# Altium PCB 3-as-manufactured.PcbDoc (part 16 of 16)
Units mil, origin at the board's own origin, x right, y up, seen from the top; angles counter-clockwise.
Board outline 4130.55 x 4250 mil, 8 copper layers (L1_TOP, L2_GND, L3_INT, L4_PWR, L5_PWR, L6_INT, L7_GND, L8_BOT), stack 61 mil thick; 584 components, 489 nets, 2229 pads, 1894 vias.
Unrouted connection lines stored in the file: 4.
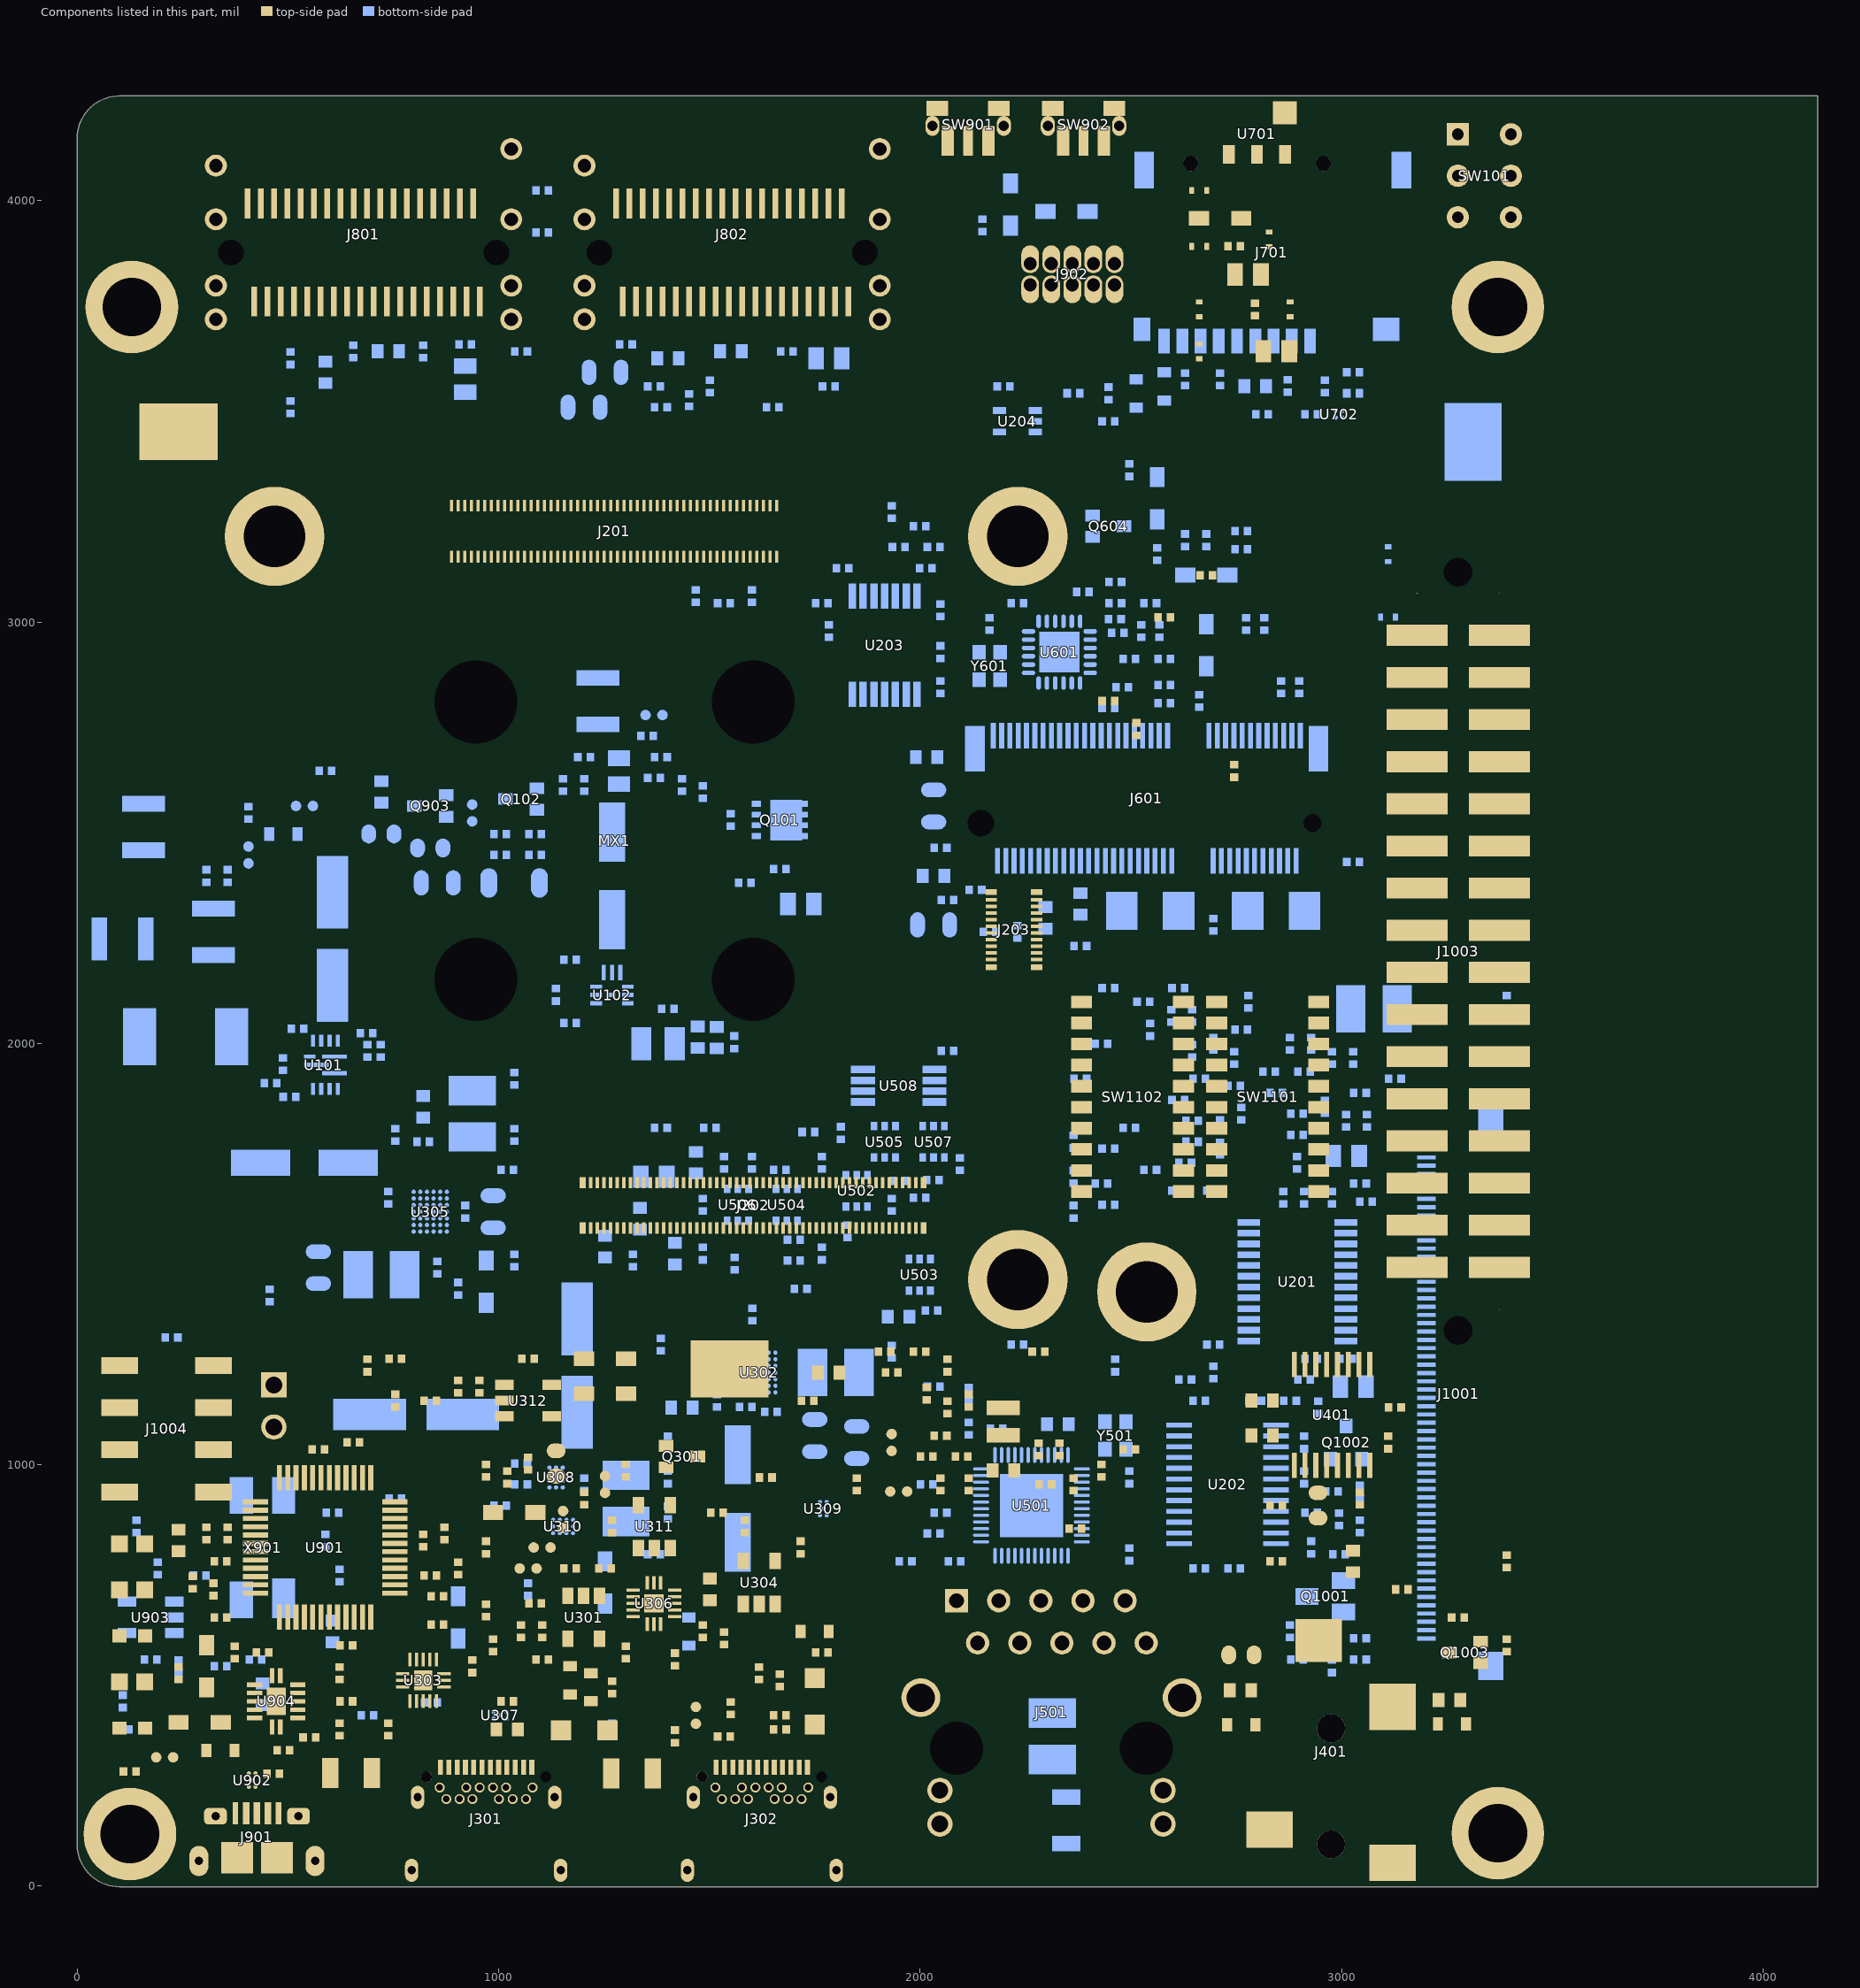
[diagram p22: the components of this part, seen from the top]

## Silkscreen, mask and mechanical layers (free items; w line width, h text height) (continued)
Drill Drawing:
  circle w12: c5121.59,4355.36 r55.56
  lines w12: 5066.03,-1200.2 5177.14,-1200.2 5177.14,-1089.09 5066.03,-1089.09 5066.03,-1200.2 ; 5066.03,-839.09 5177.14,-839.09 5121.59,-950.2 5066.03,-839.09 ; 5066.03,299.8 5121.59,327.58 5177.14,299.8 5149.36,355.36 5177.14,410.91 5121.59,383.13 5066.03,410.91 5093.81,355.36 5066.03,299.8 ; 5066.03,3077.58 5093.81,3077.58 5121.59,3049.8 5149.36,3077.58 5177.14,3077.58 5149.36,3105.36 5177.14,3133.13 5149.36,3133.13 5121.59,3160.91 5093.81,3133.13 5066.03,3133.13 5093.81,3105.36 5066.03,3077.58 ; 5066.03,3827.58 5093.81,3827.58 5093.81,3799.8 5149.36,3799.8 5149.36,3827.58 5177.14,3827.58 5177.14,3883.13 5149.36,3883.13 5149.36,3910.91 5093.81,3910.91 5093.81,3883.13 5066.03,3883.13 5066.03,3827.58 ; 5066.03,4049.8 5066.03,4077.58 5093.81,4105.36 5066.03,4133.13 5066.03,4160.91 5093.81,4160.91 5121.59,4133.13 5149.36,4160.91 5177.14,4160.91 5177.14,4133.13 5149.36,4105.36 5177.14,4077.58 5177.14,4049.8 5149.36,4049.8 5121.59,4077.58 5093.81,4049.8 5066.03,4049.8 ; 5066.03,4549.8 5177.14,4549.8 5177.14,4660.91 5066.03,4660.91 5066.03,4549.8 ; 5088.25,4572.02 5154.92,4572.02 5154.92,4638.69 5088.25,4638.69 5088.25,4572.02
  lines w15: 4967.84,-1775.2 15705.55,-1775.2 ; 4967.84,4724.8 15705.55,4724.8 ; 5871.03,-2025.2 5871.03,4974.8 ; 6944.74,-2025.2 6944.74,4974.8 ; 8851.51,-2025.2 8851.51,4974.8 ; 9679.71,-2025.2 9679.71,4974.8 ; 10887.78,-2025.2 10887.78,4974.8 ; 12855.6,-2025.2 12855.6,4974.8 ; 13823.75,-2025.2 13823.75,4974.8 ; 4967.84,-2025.2 15705.55,-2025.2 15705.55,4974.8 4967.84,4974.8 4967.84,-2025.2
  text "Symbol" at 5117.84,4799.8 h120
  text "Count" at 5946.03,4799.8 h120
  text "Hole Size" at 7019.74,4799.8 h120
  text "Plated" at 8926.51,4799.8 h120
  text "Hole Type" at 9754.71,4799.8 h120
  text "Drill Layer Pair" at 10962.78,4799.8 h120
  text "Via/Pad" at 12930.6,4799.8 h120
  text "Pad Shape" at 13898.75,4799.8 h120
  text "1813" at 5946.03,4549.8 h100
  text "5.90mil (0.150mm)" at 7019.74,4549.8 h100
  text "PTH" at 8926.51,4549.8 h100
  text "Round" at 9754.71,4549.8 h100
  text "L1_TOP - L8_BOT" at 10962.78,4549.8 h100
  text "Via" at 12930.6,4549.8 h100
  text "Rounded" at 13898.75,4549.8 h100
  text "81" at 5946.03,4299.8 h100
  text "6.00mil (0.152mm)" at 7019.74,4299.8 h100
  text "PTH" at 8926.51,4299.8 h100
  text "Round" at 9754.71,4299.8 h100
  text "L1_TOP - L8_BOT" at 10962.78,4299.8 h100
  text "Via" at 12930.6,4299.8 h100
  text "Rounded" at 13898.75,4299.8 h100
  text "24" at 5946.03,4049.8 h100
  text "15.75mil (0.400mm)" at 7019.74,4049.8 h100
  text "PTH" at 8926.51,4049.8 h100
  text "Round" at 9754.71,4049.8 h100
  text "L1_TOP - L8_BOT" at 10962.78,4049.8 h100
  text "Pad" at 12930.6,4049.8 h100
  text "Rounded" at 13898.75,4049.8 h100
  text "8" at 5946.03,3799.8 h100
  text "19.69mil (0.500mm)" at 7019.74,3799.8 h100
  text "PTH" at 8926.51,3799.8 h100
  text "Slot" at 9754.71,3799.8 h100
  text "L1_TOP - L8_BOT" at 10962.78,3799.8 h100
  text "Pad" at 12930.6,3799.8 h100
  text "Rounded" at 13898.75,3799.8 h100
  text "2" at 5946.03,3549.8 h100
  text "20.00mil (0.508mm)" at 7019.74,3549.8 h100
  text "PTH" at 8926.51,3549.8 h100
  text "Slot" at 9754.71,3549.8 h100
  text "L1_TOP - L8_BOT" at 10962.78,3549.8 h100
  text "Pad" at 12930.6,3549.8 h100
  text "Rounded Rectangle" at 13898.75,3549.8 h100
  text "W" at 5072.56,3537.82 h111.11
  text "2" at 5946.03,3299.8 h100
  text "20.00mil (0.508mm)" at 7019.74,3299.8 h100
  text "PTH" at 8926.51,3299.8 h100
  text "Slot" at 9754.71,3299.8 h100
  text "L1_TOP - L8_BOT" at 10962.78,3299.8 h100
  text "Pad" at 12930.6,3299.8 h100
  text "Rounded" at 13898.75,3299.8 h100
  text "X" at 5072.56,3287.82 h111.11
  text "4" at 5946.03,3049.8 h100
  text "23.62mil (0.600mm)" at 7019.74,3049.8 h100
  text "PTH" at 8926.51,3049.8 h100
  text "Slot" at 9754.71,3049.8 h100
  text "L1_TOP - L8_BOT" at 10962.78,3049.8 h100
  text "Pad" at 12930.6,3049.8 h100
  text "Rounded" at 13898.75,3049.8 h100
  text "6" at 5946.03,2799.8 h100
  text "28.00mil (0.711mm)" at 7019.74,2799.8 h100
  text "PTH" at 8926.51,2799.8 h100
  text "Round" at 9754.71,2799.8 h100
  text "L1_TOP - L8_BOT" at 10962.78,2799.8 h100
  text "Pad" at 12930.6,2799.8 h100
  text "Rounded" at 13898.75,2799.8 h100
  text "L" at 5072.56,2787.82 h111.11
  text "9" at 5946.03,2549.8 h100
  text "31.00mil (0.787mm)" at 7019.74,2549.8 h100
  text "PTH" at 8926.51,2549.8 h100
  text "Round" at 9754.71,2549.8 h100
  text "L1_TOP - L8_BOT" at 10962.78,2549.8 h100
  text "Pad" at 12930.6,2549.8 h100
  text "Rounded" at 13898.75,2549.8 h100
  text "V" at 5072.56,2537.82 h111.11
  text "1" at 5946.03,2299.8 h100
  text "31.00mil (0.787mm)" at 7019.74,2299.8 h100
  text "PTH" at 8926.51,2299.8 h100
  text "Slot" at 9754.71,2299.8 h100
  text "L1_TOP - L8_BOT" at 10962.78,2299.8 h100
  text "Pad" at 12930.6,2299.8 h100
  text "Rounded" at 13898.75,2299.8 h100
  text "U" at 5072.56,2287.82 h111.11
  text "`" at 5091.07,2074.84 h111.11
  text "16" at 5946.03,2049.8 h100
  text "32.00mil (0.813mm)" at 7019.74,2049.8 h100
  text "PTH" at 8926.51,2049.8 h100
  text "Round" at 9754.71,2049.8 h100
  text "L1_TOP - L8_BOT" at 10962.78,2049.8 h100
  text "Pad" at 12930.6,2049.8 h100
  text "Rounded" at 13898.75,2049.8 h100
  text "10" at 5946.03,1799.8 h100
  text "35.00mil (0.889mm)" at 7019.74,1799.8 h100
  text "PTH" at 8926.51,1799.8 h100
  text "Round" at 9754.71,1799.8 h100
  text "L1_TOP - L8_BOT" at 10962.78,1799.8 h100
  text "Pad" at 12930.6,1799.8 h100
  text "Rounded" at 13898.75,1799.8 h100
  text "[" at 5091.07,1787.82 h111.11
  text "6" at 5946.03,1549.8 h100
  text "40.00mil (1.016mm)" at 7019.74,1549.8 h100
  text "PTH" at 8926.51,1549.8 h100
  text "Round" at 9754.71,1549.8 h100
  text "L1_TOP - L8_BOT" at 10962.78,1549.8 h100
  text "Pad" at 12930.6,1549.8 h100
  text "Rounded" at 13898.75,1549.8 h100
  text "N" at 5072.56,1537.82 h111.11
  text "2" at 5946.03,1299.8 h100
  text "67.00mil (1.702mm)" at 7019.74,1299.8 h100
  text "PTH" at 8926.51,1299.8 h100
  text "Round" at 9754.71,1299.8 h100
  text "L1_TOP - L8_BOT" at 10962.78,1299.8 h100
  text "Pad" at 12930.6,1299.8 h100
  text "Rounded" at 13898.75,1299.8 h100
  text "Y" at 5072.56,1287.82 h111.11
  text "4" at 5946.03,1049.8 h100
  text "139.00mil (3.531mm)" at 7019.74,1049.8 h100
  text "PTH" at 8926.51,1049.8 h100
  text "Round" at 9754.71,1049.8 h100
  text "L1_TOP - L8_BOT" at 10962.78,1049.8 h100
  text "Pad" at 12930.6,1049.8 h100
  text "Rounded" at 13898.75,1049.8 h100
  text "Q" at 5072.56,1037.82 h111.11
  text "4" at 5946.03,799.8 h100
  text "146.00mil (3.708mm)" at 7019.74,799.8 h100
  text "PTH" at 8926.51,799.8 h100
  text "Round" at 9754.71,799.8 h100
  text "L1_TOP - L8_BOT" at 10962.78,799.8 h100
  text "Pad" at 12930.6,799.8 h100
  text "Rounded" at 13898.75,799.8 h100
  text "M" at 5072.56,787.82 h111.11
  text "2" at 5946.03,549.8 h100
  text "26.00mil (0.660mm)" at 7019.74,549.8 h100
  text "NPTH" at 8926.51,549.8 h100
  text "Round" at 9754.71,549.8 h100
  text "L1_TOP - L8_BOT" at 10962.78,549.8 h100
  text "Pad" at 12930.6,549.8 h100
  text "Rounded" at 13898.75,549.8 h100
  text "]" at 5091.07,537.82 h111.11
  text "2" at 5946.03,299.8 h100
  text "26.00mil (0.660mm)" at 7019.74,299.8 h100
  text "NPTH" at 8926.51,299.8 h100
  text "Slot" at 9754.71,299.8 h100
  text "L1_TOP - L8_BOT" at 10962.78,299.8 h100
  text "Pad" at 12930.6,299.8 h100
  text "Rounded" at 13898.75,299.8 h100
  text "2" at 5946.03,49.8 h100
  text "36.00mil (0.914mm)" at 7019.74,49.8 h100
  text "NPTH" at 8926.51,49.8 h100
  text "Round" at 9754.71,49.8 h100
  text "L1_TOP - L8_BOT" at 10962.78,49.8 h100
  text "Pad" at 12930.6,49.8 h100
  text "Rounded" at 13898.75,49.8 h100
  text "I" at 5091.07,37.82 h111.11
  text "^" at 5072.56,-175.16 h111.11
  text "1" at 5946.03,-200.2 h100
  text "43.00mil (1.092mm)" at 7019.74,-200.2 h100
  text "NPTH" at 8926.51,-200.2 h100
  text "Round" at 9754.71,-200.2 h100
  text "L1_TOP - L8_BOT" at 10962.78,-200.2 h100
  text "Pad" at 12930.6,-200.2 h100
  text "Rounded" at 13898.75,-200.2 h100
  text "a" at 5072.56,-443.67 h111.11
  text "4" at 5946.03,-450.2 h100
  text "61.00mil (1.549mm)" at 7019.74,-450.2 h100
  text "NPTH" at 8926.51,-450.2 h100
  text "Round" at 9754.71,-450.2 h100
  text "L1_TOP - L8_BOT" at 10962.78,-450.2 h100
  text "Pad" at 12930.6,-450.2 h100
  text "Rounded" at 13898.75,-450.2 h100
  text "_" at 5072.56,-656.64 h111.11
  text "1" at 5946.03,-700.2 h100
  text "63.00mil (1.600mm)" at 7019.74,-700.2 h100
  text "NPTH" at 8926.51,-700.2 h100
  text "Round" at 9754.71,-700.2 h100
  text "L1_TOP - L8_BOT" at 10962.78,-700.2 h100
  text "Pad" at 12930.6,-700.2 h100
  text "Rounded" at 13898.75,-700.2 h100
  text "2" at 5946.03,-950.2 h100
  text "66.93mil (1.700mm)" at 7019.74,-950.2 h100
  text "NPTH" at 8926.51,-950.2 h100
  text "Round" at 9754.71,-950.2 h100
  text "L1_TOP - L8_BOT" at 10962.78,-950.2 h100
  text "Pad" at 12930.6,-950.2 h100
  text "Rounded" at 13898.75,-950.2 h100
  text "2" at 5946.03,-1200.2 h100
  text "68.00mil (1.727mm)" at 7019.74,-1200.2 h100
  text "NPTH" at 8926.51,-1200.2 h100
  text "Round" at 9754.71,-1200.2 h100
  text "L1_TOP - L8_BOT" at 10962.78,-1200.2 h100
  text "Pad" at 12930.6,-1200.2 h100
  text "Rounded" at 13898.75,-1200.2 h100
  text "2" at 5946.03,-1450.2 h100
  text "126.00mil (3.200mm)" at 7019.74,-1450.2 h100
  text "NPTH" at 8926.51,-1450.2 h100
  text "Round" at 9754.71,-1450.2 h100
  text "L1_TOP - L8_BOT" at 10962.78,-1450.2 h100
  text "Pad" at 12930.6,-1450.2 h100
  text "Rounded" at 13898.75,-1450.2 h100
  text "Z" at 5072.56,-1462.18 h111.11
  text "4" at 5946.03,-1700.2 h100
  text "197.00mil (5.004mm)" at 7019.74,-1700.2 h100
  text "NPTH" at 8926.51,-1700.2 h100
  text "Slot" at 9754.71,-1700.2 h100
  text "L1_TOP - L8_BOT" at 10962.78,-1700.2 h100
  text "Pad" at 12930.6,-1700.2 h100
  text "Rounded" at 13898.75,-1700.2 h100
  text "K" at 5072.56,-1712.18 h111.11
  text "2014 Total" at 5946.03,-1950.2 h100
  text "Slot definitions :" at 5117.84,-2182.49 h100
  text "Routed Path Length" at 6825.92,-2182.49 h100
  text "= Calculated from tool start centre position to tool end centre position." at 8650.63,-2182.49 h100
  text "Hole Length" at 6825.92,-2339.78 h100
  text "= Routed Path Length + Tool Size = Slot length as defined in the PCB layout" at 7967.52,-2339.78 h100
SOM Outline:
  circle w2: c2231.58,3203.52 r59.06
  circle w2: c2231.58,1439.74 r59.06
  circle w2: c467.8,3203.52 r59.06
  lines w2: 349.69,1421.63 ccw(c449.69,1421.63) 449.69,1321.63 2249.69,1321.63 ccw(c2249.69,1421.63) 2349.69,1421.63 2349.69,3221.63 ccw(c2249.69,3221.63) 2249.69,3321.63 449.69,3321.63 ccw(c449.69,3221.63) 349.69,3221.63 349.69,1421.63
Bottom Courtyard:
  circle w1: c1883.92,2224.08 r16.73
  circle w1: c1107.34,1447.5 r16.73
  circle w1: c1107.34,2224.08 r16.73
  circle w1: c1140.63,1530.79 r39.37
  lines w1: 1192.88,1819.54 1168.55,1819.54 ccw(c1168.55,1788.04) 1137.05,1788.04 1137.05,1645.78 ccw(c1168.55,1645.78) 1168.55,1614.28 1231.99,1614.28 ; 1273.6,1744.9 cw(c1273.6,1713.4) 1305.1,1713.4 1305.1,1643.06 ccw(c1336.59,1643.06) 1324.65,1613.92 cw(c1312.71,1584.77) 1344.21,1584.77 1344.21,1571.14 cw(c1312.71,1571.14) 1312.71,1539.64 ; 1464.35,2053.05 1489.63,2053.05 ; 1464.35,2053.14 cw(c1464.35,2074.79) 1464.35,2096.44 ; 1464.35,2096.53 1489.63,2096.53 ; 1489.63,2053.14 ccw(c1489.63,2074.79) 1489.63,2096.44 ; 1520.2,1649.81 ccw(c1540.67,1649.81) 1561.15,1649.81 ; 1520.2,1653.02 cw(c1540.67,1653.02) 1561.15,1653.02 ; 1561.25,1649.81 1561.25,1653.02 ; 1600.82,1575.17 1600.82,1578.38 ; 1614.12,1418.71 ccw(c1645.62,1418.71) 1645.62,1387.21 1665.64,1387.21 ccw(c1665.64,1418.71) 1697.14,1418.71 1697.14,1462.87 ccw(c1665.64,1462.87) 1665.64,1494.37 1645.62,1494.37 ccw(c1645.62,1462.87) 1614.12,1462.87 1614.12,1418.71 ; 1851.88,1970.78 ccw(c1883.38,1970.78) 1883.38,1939.28 1907.71,1939.28 ccw(c1907.71,1970.78) 1939.21,1970.78 1939.21,1990.8 ccw(c1907.71,1990.8) 1907.71,2022.3 1883.38,2022.3 ccw(c1883.38,1990.8) 1851.88,1990.8 1851.88,1970.78
Top Designator:
  lines w1: -25,0 25,0 ; 0,-25 0,25
Top Component Outline:
  circle w1: c2231.58,3203.52 r54.5
  circle w1: c467.8,3203.52 r54.5
  circle w1: c1262.15,1411.27 r20
  circle w1: c1362.15,1411.27 r20
  circle w1: c945.39,2800.83 r32
  circle w1: c945.39,2142.37 r32
  circle w1: c1145.39,2800.83 r17.5
  circle w1: c1503.85,2142.37 r17.5
  circle w1: c1603.85,2800.83 r32
  circle w1: c1603.85,2142.37 r32
  circle w1: c2231.58,1439.74 r54.5
Bottom Pin Number:
  circle w1: c2537.63,1410.64 r68.9

## Dimensions
4080.78,4196.11 to 4332.19,4336.69 on Fab Notes
2476.06,4181.63 to 3055.82,4632.59 on Fab Notes

## Text inside footprints (layer, text, board x,y; h text height)
BH1201: Bottom Pin Number "1" at 128.99,3781.57 h25
BH1202: Bottom Pin Number "1" at 3370.62,3781.57 h25
BH1203: Bottom Pin Number "1" at 124.62,157.57 h25
BH1204: Bottom Pin Number "1" at 3370.62,159.57 h25
BH1206: Bottom Pin Number "1" at 2537.74,1410.75 h25
BH1207: Top Assembly "SWAGED" at 2200.24,3158.04 h20 r45; Top Pin Number "1" at 2231.42,3203.52 h25 r45
BH1208: Top Assembly "SWAGED" at 2200.24,1394.26 h20 r45; Top Pin Number "1" at 2231.42,1439.74 h25 r45
BH1209: Top Assembly "SWAGED" at 436.46,3158.04 h20 r45; Top Pin Number "1" at 467.64,3203.52 h25 r45
C101: Bottom Overlay "+" at 484,2015 h80 r90; Bottom Overlay "1" at 510.11,2093.41 h31 r270; Bottom Pin Number "2" at 604.95,2358.91 h25 r270; Bottom Pin Number "1" at 604.95,2137.91 h25 r270; Bottom Assembly "+" at 599.4,2017.7 h25 r270
C103: Bottom Overlay "+" at 1428,2191 h80 r90; Bottom Pin Number "1" at 1256.16,2289.85 h25 r270; Bottom Pin Number "2" at 1256.16,2494.49 h25 r270; Top Designator "+" at 1236.65,2150.82 h25 r90
C107: Bottom Pin Number "1" at 323.27,2209.79 h25 r270; Bottom Pin Number "2" at 323.27,2320.02 h25 r270
C108: Bottom Pin Number "1" at 52.34,2248.14 h25 r180; Bottom Pin Number "2" at 162.57,2248.14 h25 r180
C109: Bottom Pin Number "1" at 157.38,2458.81 h25 r270; Bottom Pin Number "2" at 157.38,2569.05 h25 r270
C142: Top Pin Number "1" at 1284.87,2615.7 h25 r270; Top Pin Number "2" at 1284.87,2677.12 h25 r270
C157: Bottom Pin Number "1" at 1235.64,2757.64 h25 r270; Bottom Pin Number "2" at 1235.64,2867.87 h25 r270
C210: Top Pin Number "1" at 1337.14,1684.22 h25 r180; Top Pin Number "2" at 1398.56,1684.22 h25 r180
C301: Bottom Pin Number "1" at 1311.67,975.18 h25 r90; Bottom Pin Number "2" at 1311.67,865.18 h25 r90
C304: Bottom Overlay "+" at 952,926 h80 r180; Bottom Pin Number "1" at 914.57,1119.24 h25; Bottom Pin Number "2" at 693.57,1119.24 h25; Bottom Assembly "+" at 1034.78,1113.68 h25
C305: Bottom Overlay "+" at 1326,1446 h80 r270; Bottom Pin Number "1" at 1185.87,1346 h25 r90; Bottom Pin Number "2" at 1185.87,1125 h25 r90; Bottom Assembly "+" at 1191.42,1466.21 h25 r90
C309: Bottom Overlay "+" at 1646,1125 h80 r270; Bottom Pin Number "1" at 1579.75,1028.05 h25 r90; Bottom Pin Number "2" at 1579.75,823.4 h25 r90; Top Designator "+" at 1599.25,1167.07 h25 r90
C311: Bottom Pin Number "1" at 1744.49,1228.84 h25 r180; Bottom Pin Number "2" at 1854.49,1228.84 h25 r180
C321: Bottom Pin Number "1" at 776.23,1441.59 h25; Bottom Pin Number "2" at 666.23,1441.59 h25
C326: Bottom Overlay "+" at 729,1603 h80 r180; Bottom Pin Number "1" at 646.63,1704.55 h25; Bottom Pin Number "2" at 441.99,1704.55 h25; Top Designator "+" at 785.65,1685.05 h25
C327: Bottom Pin Number "1" at 927.04,1778.26 h25 r270; Bottom Pin Number "2" at 927.04,1888.26 h25 r270
C339: Top Pin Number "1" at 1130.95,1034.56 h10 r270; Top Pin Number "2" at 1130.95,978.85 h10 r270
C517: Bottom Pin Number "1" at 2303.89,300.73 h25 r270; Bottom Pin Number "2" at 2303.89,410.72 h25 r270
C624: Bottom Overlay "+" at 2746,2167 h80; Bottom Pin Number "2" at 2903.74,2327.21 h25 r180; Bottom Pin Number "1" at 2774.09,2327.21 h25 r180; Bottom Assembly "+" at 2739.57,2374.71 h25
C625: Bottom Overlay "+" at 2653,2236 h80 r180; Bottom Pin Number "2" at 2486.8,2302.21 h25; Bottom Pin Number "1" at 2616.45,2302.21 h25; Bottom Assembly "+" at 2650.97,2254.71 h25 r180
C703: Bottom Pin Number "2" at 2814.19,3643.21 h25 r180; Bottom Pin Number "1" at 2875.61,3643.21 h25 r180
C706: Bottom Pin Number "2" at 2808.59,3825.07 h25; Bottom Pin Number "1" at 2747.17,3825.07 h25
C812: Top Pin Number "1" at 920.67,3607.47 h25 r90; Top Pin Number "2" at 920.67,3546.05 h25 r90
C815: Top Pin Number "1" at 1813.94,3625.86 h25; Top Pin Number "2" at 1752.52,3625.86 h25
C1001: Bottom Pin Number "1" at 3021.81,2092.13 h25 r180; Bottom Pin Number "2" at 3131.81,2092.13 h25 r180
D101: Bottom Pin Number "C" at 525.56,2503.33 h10 r180; Bottom Pin Number "A" at 452.18,2492.33 h10
D301: Top Pin Number "A" at 1254.32,357.73 h25; Top Pin Number "C" at 1134.08,357.73 h25
D303: Top Pin Number "C" at 1761.99,369.82 h25 r90; Top Pin Number "A" at 1761.99,490.06 h25 r90
D702: Top Pin Number "A" at 2865.15,3765.94 h25 r270; Top Pin Number "C" at 2864.33,3731.29 h25 r270
D703: Top Pin Number "C" at 2648.68,3631.68 h25 r270; Top Pin Number "A" at 2649.5,3666.33 h25 r270
D704: Top Pin Number "A" at 2649.5,3765.94 h25 r270; Top Pin Number "C" at 2648.68,3731.29 h25 r270
D705: Top Pin Number "C" at 2814.57,3897.31 h25 r270; Top Pin Number "A" at 2815.39,3931.96 h25 r270
D706: Top Pin Number "C" at 2673.24,3878.45 h25; Top Pin Number "A" at 2638.59,3879.27 h25
D707: Top Pin Number "A" at 2638.59,4012.08 h25; Top Pin Number "C" at 2673.24,4011.26 h25
D708: Top ALT_SILK "A" at 63.99,780.01 h15 r270; Top ALT_SILK "C" at 183.98,774.52 h15 r270
D902: Top ALT_SILK "A" at 63.99,451.69 h15 r270; Top ALT_SILK "C" at 183.98,446.2 h15 r270
D903: Top Pin Number "A" at 90.08,362.59 h25; Top Pin Number "C" at 151.69,362.59 h25
D905: Top Pin Number "C" at 151.69,581.47 h25; Top Pin Number "A" at 90.08,581.47 h25
D906: Top ALT_SILK "A" at 63.99,670.57 h15 r270; Top ALT_SILK "C" at 183.98,665.08 h15 r270
D1001: Bottom Pin Number "A" at 3097.39,3137.89 h25 r270; Bottom Pin Number "C" at 3096.57,3172.54 h25 r270
D1002: Bottom Pin Number "A" at 3086.49,3024.56 h25 r180; Bottom Pin Number "C" at 3121.13,3025.38 h25 r180
F301: Top Overlay "1" at 749.63,283.79 h30 r180; Top Assembly "1" at 746.83,273.79 h15 r180; Top Pin Number "1" at 703.84,277.79 h20 r180; Top Pin Number "2" at 605.42,277.79 h20 r180
F302: Top Overlay "1" at 1415,284 h30 r180; Top Assembly "1" at 1413.45,272.54 h15 r180; Top Pin Number "1" at 1370.46,276.54 h20 r180; Top Pin Number "2" at 1272.04,276.54 h20 r180
J101: Top Overlay "1" at 380.86,1180.82 h31; Top Assembly "1" at 416.26,1199.82 h25; Top Pin Number "2" at 466.1,1089.82 h25; Top Pin Number "1" at 466.1,1189.82 h25
J201: Top Overlay "1" at 879.63,3098.29 h35; Top Overlay "99" at 1644.63,3098.29 h35; Top Overlay "100" at 1644.63,3303.29 h35; Top Overlay "2" at 879.63,3308.29 h35; Top Assembly "100" at 1662.88,3312.82 h25; Top Assembly "99" at 1662.95,3094.29 h25; Top Assembly "1" at 882.77,3093.98 h25; Top Assembly "2" at 880.37,3314.46 h25; Top Pin Number "17" at 1018.79,3148.16 h10 r90; Top Pin Number "2" at 892.8,3273.09 h10 r90; Top Pin Number "15" at 1003.04,3148.16 h10 r90; Top Pin Number "10" at 955.8,3269.42 h10 r90; Top Pin Number "86" at 1554.32,3268.81 h10 r90; Top Pin Number "99" at 1664.46,3147.61 h10 r90; Top Pin Number "52" at 1287.2,3268.57 h10 r90; Top Pin Number "54" at 1303.54,3268.34 h10 r90; Top Pin Number "62" at 1365.28,3268.84 h10 r90; Top Pin Number "58" at 1334.45,3268.57 h10 r90; Top Pin Number "24" at 1066.03,3268.4 h10 r90; Top Pin Number "60" at 1349.54,3268.84 h10 r90; Top Pin Number "89" at 1585.72,3147.61 h10 r90; Top Pin Number "83" at 1538.47,3147.38 h10 r90; Top Pin Number "48" at 1255.71,3268.57 h10 r90; Top Pin Number "46" at 1239.36,3268.81 h10 r90; Top Pin Number "80" at 1507.68,3268.57 h10 r90; Top Pin Number "1" at 892.8,3153.97 h10 r90; Top Pin Number "13" at 987.29,3148.16 h10 r90; Top Pin Number "7" at 940.05,3151.83 h10 r90; Top Pin Number "19" at 1034.54,3148.4 h10 r90; Top Pin Number "25" at 1081.78,3147.38 h10 r90; Top Pin Number "37" at 1175.67,3145.87 h10 r90; Top Pin Number "31" at 1129.02,3149.52 h10 r90; Top Pin Number "55" at 1318,3147.38 h10 r90; Top Pin Number "49" at 1270.76,3147.61 h10 r90; Top Pin Number "43" at 1223.51,3147.38 h10 r90; Top Pin Number "67" at 1412.49,3147.64 h10 r90; Top Pin Number "61" at 1365.24,3149.78 h10 r90; Top Pin Number "79" at 1506.98,3147.61 h10 r90; Top Pin Number "73" at 1459.73,3147.38 h10 r90; Top Pin Number "97" at 1648.71,3147.38 h10 r90; Top Pin Number "87" at 1569.97,3147.38 h10 r90; Top Pin Number "8" at 940.05,3273.09 h10 r90; Top Pin Number "20" at 1034.54,3268.64 h10 r90; Top Pin Number "32" at 1129.72,3268.57 h10 r90; Top Pin Number "44" at 1224.8,3268.33 h10 r90; Top Pin Number "68" at 1412.53,3268.84 h10 r90; Top Pin Number "92" at 1602.16,3268.57 h10 r90; Top Pin Number "56" at 1318.1,3268.81 h10 r90; Top Pin Number "88" at 1570.67,3268.57 h10 r90; Top Pin Number "50" at 1271.46,3268.57 h10 r90; Top Pin Number "98" at 1649.41,3268.57 h10 r90; Top Pin Number "96" at 1633.06,3268.81 h10 r90; Top Pin Number "94" at 1618.5,3268.34 h10 r90; Top Pin Number "64" at 1381.63,3268.6 h10 r90; Top Pin Number "66" at 1396.19,3269.07 h10 r90; Top Pin Number "34" at 1146.06,3268.33 h10 r90; Top Pin Number "33" at 1144.17,3145.87 h10 r90; Top Pin Number "69" at 1428.24,3147.88 h10 r90; Top Pin Number "45" at 1239.26,3147.38 h10 r90; Top Pin Number "51" at 1286.5,3149.52 h10 r90; Top Pin Number "53" at 1302.25,3147.38 h10 r90; Top Pin Number "35" at 1159.92,3145.87 h10 r90; Top Pin Number "59" at 1349.5,3147.61 h10 r90; Top Pin Number "63" at 1380.99,3147.64 h10 r90; Top Pin Number "47" at 1255.01,3147.38 h10 r90; Top Pin Number "39" at 1190.82,3146.11 h10 r90; Top Pin Number "57" at 1333.75,3147.38 h10 r90; Top Pin Number "41" at 1207.76,3149.52 h10 r90; Top Pin Number "75" at 1475.48,3147.38 h10 r90; Top Pin Number "65" at 1396.74,3147.64 h10 r90; Top Pin Number "71" at 1443.98,3149.52 h10 r90; Top Pin Number "18" at 1018.79,3269.42 h10 r90; Top Pin Number "16" at 1003.04,3269.66 h10 r90; Top Pin Number "14" at 987.29,3269.18 h10 r90; Top Pin Number "77" at 1491.23,3147.38 h10 r90; Top Pin Number "40" at 1192.72,3268.57 h10 r90; Top Pin Number "70" at 1428.94,3268.57 h10 r90; Top Pin Number "42" at 1208.46,3268.57 h10 r90; Top Pin Number "12" at 971.54,3269.42 h10 r90; Top Pin Number "28" at 1097.53,3268.64 h10 r90; Top Pin Number "26" at 1081.78,3268.87 h10 r90; Top Pin Number "22" at 1050.28,3268.64 h10 r90; Top Pin Number "91" at 1601.46,3149.52 h10 r90; Top Pin Number "93" at 1617.21,3147.38 h10 r90; Top Pin Number "95" at 1632.96,3147.38 h10 r90; Top Pin Number "30" at 1113.28,3268.64 h10 r90; Top Pin Number "81" at 1522.72,3149.52 h10 r90; Top Pin Number "36" at 1160.62,3268.81 h10 r90; Top Pin Number "38" at 1176.97,3268.57 h10 r90; Top Pin Number "85" at 1554.22,3147.38 h10 r90; Top Pin Number "29" at 1113.28,3147.61 h10 r90; Top Pin Number "27" at 1097.53,3147.38 h10 r90; Top Pin Number "23" at 1066.03,3147.38 h10 r90; Top Pin Number "21" at 1050.28,3149.52 h10 r90; Top Pin Number "74" at 1461.02,3268.34 h10 r90; Top Pin Number "72" at 1444.68,3268.57 h10 r90; Top Pin Number "82" at 1523.42,3268.57 h10 r90; Top Pin Number "84" at 1539.76,3268.34 h10 r90; Top Pin Number "78" at 1491.93,3268.57 h10 r90; Top Pin Number "76" at 1475.58,3268.81 h10 r90; Top Pin Number "90" at 1586.42,3268.57 h10 r90; Top Pin Number "4" at 908.55,3272.85 h10 r90; Top Pin Number "6" at 924.3,3273.33 h10 r90; Top Pin Number "11" at 971.54,3150.3 h10 r90; Top Pin Number "9" at 955.8,3152.07 h10 r90; Top Pin Number "5" at 924.3,3151.83 h10 r90; Top Pin Number "3" at 908.55,3151.83 h10 r90; Top Pin Number "100" at 1664.46,3264.97 h10 r90
J202: Top Overlay "1" at 1186.63,1695.79 h35; Top Overlay "2" at 1191.63,1505.79 h35; Top Overlay "99" at 1976.63,1695.79 h35; Top Overlay "100" at 1986.63,1505.79 h35; Top Assembly "99" at 1995.63,1715.45 h25 r180; Top Assembly "100" at 2002.25,1538.29 h25 r180; Top Assembly "2" at 1226.96,1538.29 h25 r180; Top Assembly "1" at 1221.61,1713.29 h25 r180; Top Pin Number "96" at 1951.19,1568.16 h10 r270; Top Pin Number "84" at 1856.7,1568.63 h10 r270; Top Pin Number "16" at 1322.25,1567.37 h10 r270; Top Pin Number "18" at 1338,1567.61 h10 r270; Top Pin Number "20" at 1352.76,1568.39 h10 r270; Top Pin Number "10" at 1275.35,1567.61 h10 r270; Top Pin Number "12" at 1290.22,1567.61 h10 r270; Top Pin Number "14" at 1305.82,1567.85 h10 r270; Top Pin Number "48" at 1574.22,1568.39 h10 r270; Top Pin Number "60" at 1667.72,1568.13 h10 r270; Top Pin Number "72" at 1762.21,1568.39 h10 r270; Top Pin Number "98" at 1966.94,1568.39 h10 r270; Top Pin Number "100" at 1982.36,1572.06 h10 r270; Top Pin Number "94" at 1935.44,1568.63 h10 r270; Top Pin Number "82" at 1840.95,1568.39 h10 r270; Top Pin Number "92" at 1919.69,1568.39 h10 r270; Top Pin Number "78" at 1809.46,1568.39 h10 r270; Top Pin Number "80" at 1825.2,1568.39 h10 r270; Top Pin Number "66" at 1715.95,1567.89 h10 r270; Top Pin Number "86" at 1872.45,1568.16 h10 r270; Top Pin Number "90" at 1903.94,1568.39 h10 r270; Top Pin Number "76" at 1793.71,1568.16 h10 r270; Top Pin Number "74" at 1777.96,1568.63 h10 r270; Top Pin Number "88" at 1888.2,1568.39 h10 r270; Top Pin Number "46" at 1558.47,1568.15 h10 r270; Top Pin Number "50" at 1588.98,1568.39 h10 r270; Top Pin Number "42" at 1526.97,1568.39 h10 r270; Top Pin Number "58" at 1652.96,1568.39 h10 r270; Top Pin Number "70" at 1746.46,1568.39 h10 r270; Top Pin Number "2" at 1212.79,1563.94 h10 r270; Top Pin Number "4" at 1229.14,1564.18 h10 r270; Top Pin Number "6" at 1244.89,1563.7 h10 r270; Top Pin Number "8" at 1260.64,1563.94 h10 r270; Top Pin Number "64" at 1700.2,1568.37 h10 r270; Top Pin Number "54" at 1620.78,1568.63 h10 r270; Top Pin Number "52" at 1605.18,1568.39 h10 r270; Top Pin Number "30" at 1432.83,1568.39 h10 r270; Top Pin Number "32" at 1447.7,1568.39 h10 r270; Top Pin Number "34" at 1463.3,1568.63 h10 r270; Top Pin Number "36" at 1479.73,1568.15 h10 r270; Top Pin Number "22" at 1368.81,1568.39 h10 r270; Top Pin Number "24" at 1386.27,1568.63 h10 r270; Top Pin Number "26" at 1402.01,1568.15 h10 r270; Top Pin Number "28" at 1417.76,1568.39 h10 r270; Top Pin Number "44" at 1542.72,1568.63 h10 r270; Top Pin Number "40" at 1510.24,1568.39 h10 r270; Top Pin Number "56" at 1637.21,1568.16 h10 r270; Top Pin Number "62" at 1684.46,1568.13 h10 r270; Top Pin Number "68" at 1731.7,1568.13 h10 r270; Top Pin Number "38" at 1495.48,1568.39 h10 r270; Top Pin Number "1" at 1212.67,1671.56 h10 r270; Top Pin Number "3" at 1229.14,1673.7 h10 r270; Top Pin Number "7" at 1260.64,1673.7 h10 r270; Top Pin Number "11" at 1287.22,1675.22 h10 r270; Top Pin Number "13" at 1306.29,1677.37 h10 r270; Top Pin Number "15" at 1323.23,1677.37 h10 r270; Top Pin Number "17" at 1337.01,1677.37 h10 r270; Top Pin Number "19" at 1351.78,1677.13 h10 r270; Top Pin Number "5" at 1244.89,1673.7 h10 r270; Top Pin Number "9" at 1276.39,1673.46 h10 r270; Top Pin Number "21" at 1369.15,1676.01 h10 r270; Top Pin Number "23" at 1385.62,1678.15 h10 r270; Top Pin Number "25" at 1401.37,1678.15 h10 r270; Top Pin Number "27" at 1417.12,1678.15 h10 r270; Top Pin Number "29" at 1432.87,1677.91 h10 r270; Top Pin Number "31" at 1447.55,1676.01 h10 r270; Top Pin Number "33" at 1463.77,1678.15 h10 r270; Top Pin Number "35" at 1480.72,1678.15 h10 r270; Top Pin Number "39" at 1509.26,1677.91 h10 r270; Top Pin Number "41" at 1526.97,1676.01 h10 r270; Top Pin Number "43" at 1543.71,1678.15 h10 r270; Top Pin Number "45" at 1558.47,1678.15 h10 r270; Top Pin Number "47" at 1574.22,1678.15 h10 r270; Top Pin Number "49" at 1589.97,1677.91 h10 r270; Top Pin Number "51" at 1602.18,1676.01 h10 r270; Top Pin Number "37" at 1494.49,1678.15 h10 r270; Top Pin Number "53" at 1621.25,1678.15 h10 r270; Top Pin Number "55" at 1638.2,1678.15 h10 r270; Top Pin Number "57" at 1651.97,1678.15 h10 r270; Top Pin Number "59" at 1666.74,1677.92 h10 r270; Top Pin Number "61" at 1684.46,1675.75 h10 r270; Top Pin Number "63" at 1701.19,1677.89 h10 r270; Top Pin Number "65" at 1715.95,1677.89 h10 r270; Top Pin Number "67" at 1731.7,1677.89 h10 r270; Top Pin Number "69" at 1747.45,1677.65 h10 r270; Top Pin Number "71" at 1763.2,1676.01 h10 r270; Top Pin Number "73" at 1778.94,1678.15 h10 r270; Top Pin Number "75" at 1794.69,1678.15 h10 r270; Top Pin Number "77" at 1810.44,1678.15 h10 r270; Top Pin Number "79" at 1826.19,1677.92 h10 r270; Top Pin Number "81" at 1841.94,1676.01 h10 r270; Top Pin Number "83" at 1857.68,1678.15 h10 r270; Top Pin Number "85" at 1873.43,1678.15 h10 r270; Top Pin Number "87" at 1889.18,1678.15 h10 r270; Top Pin Number "89" at 1904.93,1677.92 h10 r270; Top Pin Number "91" at 1920.68,1676.01 h10 r270; Top Pin Number "93" at 1936.42,1678.15 h10 r270; Top Pin Number "95" at 1952.17,1678.15 h10 r270; Top Pin Number "97" at 1967.92,1678.15 h10 r270; Top Pin Number "99" at 1983.67,1677.92 h10 r270
J203: Top Overlay "1" at 2137.59,2150.27 h35; Top Overlay "2" at 2297.59,2150.27 h35; Top Overlay "19" at 2112.59,2375.27 h35; Top Overlay "20" at 2282.59,2380.27 h35; Top Assembly "1" at 2126.63,2160.46 h25; Top Assembly "19" at 2110.63,2355.46 h25; Top Assembly "20" at 2300.63,2350.46 h25; Top Assembly "2" at 2301.63,2160.46 h25; Top Pin Number "7" at 2165.41,2241.65 h10; Top Pin Number "17" at 2161.74,2320.39 h10; Top Pin Number "6" at 2273.35,2225.9 h10; Top Pin Number "3" at 2165.41,2210.15 h10; Top Pin Number "16" at 2269.68,2304.64 h10; Top Pin Number "20" at 2268.66,2336.14 h10; Top Pin Number "18" at 2269.44,2320.39 h10; Top Pin Number "9" at 2165.65,2257.4 h10; Top Pin Number "8" at 2273.11,2241.65 h10; Top Pin Number "5" at 2165.41,2225.9 h10; Top Pin Number "11" at 2163.88,2273.14 h10; Top Pin Number "13" at 2161.74,2288.89 h10; Top Pin Number "15" at 2161.74,2304.64 h10; Top Pin Number "4" at 2272.87,2210.15 h10; Top Pin Number "10" at 2269.44,2257.4 h10; Top Pin Number "12" at 2269.44,2273.14 h10; Top Pin Number "14" at 2269.2,2288.89 h10; Top Pin Number "1" at 2167.55,2194.4 h10; Top Pin Number "2" at 2273.11,2194.4 h10; Top Pin Number "19" at 2161.98,2336.14 h10
J301: Top Assembly "PCB Edge" at 887.51,-8.33 h25
J302: Top Assembly "PCB Edge" at 1541.74,-8.33 h25
J501: Top Assembly "PCB EDGE SIDE" at 1909.46,-8.56 h25 r270; Top Assembly "14" at 2645.63,115.45 h25; Top Assembly "12" at 1977.61,152.56 h25 r180; Top Assembly "10" at 2645.63,550.45 h25; Top Assembly "9" at 2651.63,665.45 h25; Top Assembly "2" at 1961.96,586.94 h25 r180; Top Assembly "1" at 1964.09,682.68 h25 r180; Top Pin Number "2" at 2136.1,577.44 h25 r180; Top Pin Number "15" at 2611.82,452.44 h25 r180; Top Pin Number "16" at 1988.82,451.44 h25 r180; Top Pin Number "14" at 2575.9,147.52 h25 r180; Top Pin Number "4" at 2236.1,577.44 h25 r180; Top Pin Number "3" at 2186.1,677.44 h25 r180; Top Pin Number "8" at 2436.1,577.44 h25 r180; Top Pin Number "10" at 2535.94,577.44 h25 r180; Top Pin Number "6" at 2336.1,577.44 h25 r180; Top Pin Number "9" at 2486.1,677.44 h25 r180; Top Pin Number "5" at 2286.1,677.44 h25 r180; Top Pin Number "7" at 2386.1,677.44 h25 r180; Top Pin Number "13" at 2575.9,227.44 h25 r180; Top Pin Number "11" at 2046.37,227.44 h25 r180; Top Pin Number "12" at 2046.37,147.52 h25 r180; Top Pin Number "1" at 2086.1,677.44 h25 r180
J601: Bottom Overlay "75" at 2210,2786 h31; Bottom Overlay "74" at 2214,2351 h31; Bottom Overlay "22" at 2729,2361 h25; Bottom Overlay "32" at 2657,2415 h25; Bottom Pin Number "33" at 2575.2,2721.34 h15 r270; Bottom Pin Number "7" at 2842.08,2728.02 h15 r270; Bottom Pin Number "1" at 2906.49,2731.23 h15 r270; Bottom Pin Number "55" at 2358.67,2721.34 h15 r270; Bottom Pin Number "53" at 2378.35,2721.34 h15 r270; Bottom Pin Number "54" at 2367.92,2423.74 h15 r270; Bottom Pin Number "62" at 2290.43,2424.49 h15 r270; Bottom Pin Number "44" at 2466.34,2423.74 h15 r270; Bottom Pin Number "46" at 2447.85,2424.46 h15 r270; Bottom Pin Number "48" at 2427.56,2424.1 h15 r270; Bottom Pin Number "6" at 2847.51,2431.14 h15 r270; Bottom Pin Number "16" at 2745.09,2425.64 h15 r270; Bottom Pin Number "67" at 2241.22,2721.73 h15 r270; Bottom Pin Number "65" at 2260.9,2721.73 h15 r270; Bottom Pin Number "61" at 2305.62,2724.95 h15 r270; Bottom Pin Number "59" at 2319.9,2721.7 h15 r270; Bottom Pin Number "73" at 2181.5,2721.34 h15 r270; Bottom Pin Number "71" at 2206.55,2724.55 h15 r270; Bottom Pin Number "64" at 2270.14,2424.14 h15 r270; Bottom Pin Number "68" at 2231.37,2424.49 h15 r270; Bottom Pin Number "70" at 2211.03,2424.1 h15 r270; Bottom Pin Number "66" at 2251.65,2424.85 h15 r270; Bottom Pin Number "38" at 2525.99,2424.1 h15 r270; Bottom Pin Number "40" at 2506.3,2424.1 h15 r270; Bottom Pin Number "42" at 2486.62,2424.1 h15 r270; Bottom Pin Number "43" at 2476.78,2721.34 h15 r270; Bottom Pin Number "41" at 2501.82,2724.55 h15 r270; Bottom Pin Number "60" at 2310.11,2424.49 h15 r270; Bottom Pin Number "58" at 2329.14,2424.1 h15 r270; Bottom Pin Number "56" at 2349.42,2424.46 h15 r270; Bottom Pin Number "5" at 2861.76,2728.02 h15 r270; Bottom Pin Number "3" at 2881.45,2728.02 h15 r270; Bottom Pin Number "34" at 2564.77,2423.74 h15 r270; Bottom Pin Number "36" at 2546.28,2424.46 h15 r270; Bottom Pin Number "22" at 2683.47,2424.1 h15 r270; Bottom Pin Number "32" at 2585.05,2424.1 h15 r270; Bottom Pin Number "14" at 2763.58,2424.92 h15 r270; Bottom Pin Number "12" at 2783.87,2425.28 h15 r270; Bottom Pin Number "10" at 2803.55,2425.28 h15 r270; Bottom Pin Number "8" at 2827.24,2430.78 h15 r270; Bottom Pin Number "50" at 2407.88,2424.1 h15 r270; Bottom Pin Number "21" at 2698.67,2724.55 h15 r270; Bottom Pin Number "23" at 2673.63,2721.34 h15 r270; Bottom Pin Number "19" at 2715.56,2722.88 h15 r270; Bottom Pin Number "17" at 2734.65,2722.52 h15 r270; Bottom Pin Number "15" at 2754.34,2722.52 h15 r270; Bottom Pin Number "13" at 2774.02,2722.52 h15 r270; Bottom Pin Number "11" at 2799.06,2725.73 h15 r270; Bottom Pin Number "9" at 2822.99,2728.38 h15 r270; Bottom Pin Number "35" at 2555.52,2721.34 h15 r270; Bottom Pin Number "37" at 2535.83,2721.34 h15 r270; Bottom Pin Number "20" at 2703.16,2424.1 h15 r270; Bottom Pin Number "74" at 2171.07,2423.74 h15 r270; Bottom Pin Number "72" at 2191.34,2424.1 h15 r270; Bottom Pin Number "4" at 2866.01,2430.42 h15 r270; Bottom Pin Number "2" at 2886.29,2430.78 h15 r270; Bottom Pin Number "47" at 2437.41,2721.34 h15 r270; Bottom Pin Number "49" at 2418.32,2721.7 h15 r270; Bottom Pin Number "52" at 2388.19,2424.1 h15 r270; Bottom Pin Number "18" at 2724.81,2425.28 h15 r270; Bottom Pin Number "75" at 2161.82,2721.34 h15 r270; Bottom Pin Number "63" at 2280.59,2721.73 h15 r270; Bottom Pin Number "69" at 2222.12,2722.09 h15 r270; Bottom Pin Number "51" at 2403.4,2724.55 h15 r270; Bottom Pin Number "57" at 2338.98,2721.34 h15 r270; Bottom Pin Number "39" at 2516.75,2721.7 h15 r270; Bottom Pin Number "45" at 2457.09,2721.34 h15 r270
J701: Bottom Pin Number "2" at 2890.07,3654.88 h25; Bottom Pin Number "7" at 2673.53,3654.88 h25; Bottom Pin Number "8" at 2630.22,3654.88 h25; Bottom Pin Number "5" at 2760.14,3654.88 h25; Bottom Pin Number "1" at 2928.01,3654.88 h25; Bottom Pin Number "3" at 2846.76,3654.88 h25; Bottom Pin Number "9" at 2586.33,3654.88 h25; Bottom Pin Number "4" at 2804.05,3654.88 h25; Bottom Pin Number "13" at 3123.63,3682.44 h25; Bottom Pin Number "12" at 3159.07,4060.4 h25; Bottom Pin Number "6" at 2716.25,3654.88 h25; Bottom Pin Number "11" at 2543.48,4060.4 h25; Bottom Pin Number "10" at 2539,3682.44 h25
J801: Top Overlay "B1" at 390.07,4208.76 h25; Top Overlay "B18" at 920.84,4204.82 h25; Top Overlay "A18" at 929.11,3602.85 h25; Top Overlay "A1" at 401.09,3603.64 h25; Top Assembly "A1" at 407.3,3606.43 h25; Top Assembly "A18" at 943.94,3606.82 h25; Top Assembly "B1" at 394.71,4208.4 h25; Top Assembly "B18" at 932.52,4202.49 h25; Top Pin Number "B18" at 948.81,3982.24 h15 r90; Top Pin Number "T8" at 1039.52,4111.77 h15 r90; Top Pin Number "A8" at 649.76,3749.96 h15 r90; Top Pin Number "A9" at 681.26,3749.96 h15 r90; Top Pin Number "A13" at 807.08,3749.96 h15 r90; Top Pin Number "A14" at 838.58,3749.96 h15 r90; Top Pin Number "A11" at 744.09,3749.96 h15 r90; Top Pin Number "B8" at 634.01,3982.24 h15 r90; Top Pin Number "A10" at 712.59,3749.96 h15 r90; Top Pin Number "B2" at 445.04,3982.24 h15 r90; Top Pin Number "A2" at 460.78,3749.96 h15 r90; Top Pin Number "B13" at 791.33,3982.24 h15 r90; Top Pin Number "B14" at 822.83,3982.24 h15 r90; Top Pin Number "B3" at 476.53,3982.24 h15 r90; Top Pin Number "B17" at 917.32,3982.24 h15 r90; Top Pin Number "A3" at 492.28,3749.96 h15 r90; Top Pin Number "B5" at 539.52,3982.24 h15 r90; Top Pin Number "B16" at 885.82,3982.24 h15 r90; Top Pin Number "B6" at 571.02,3982.24 h15 r90; Top Pin Number "A5" at 555.27,3749.96 h15 r90; Top Pin Number "A6" at 586.77,3749.96 h15 r90; Top Pin Number "A16" at 901.57,3749.96 h15 r90; Top Pin Number "A17" at 933.06,3749.96 h15 r90; Top Pin Number "B11" at 728.34,3982.24 h15 r90; Top Pin Number "B10" at 696.84,3982.24 h15 r90; Top Pin Number "B9" at 665.51,3982.24 h15 r90; Top Pin Number "T1" at 338.74,3707.44 h15 r90; Top Pin Number "A12" at 775.58,3749.96 h15 r90; Top Pin Number "A15" at 870.07,3749.96 h15 r90; Top Pin Number "T5" at 1039.52,3707.44 h15 r90; Top Pin Number "T2" at 338.74,3787.36 h15 r90; Top Pin Number "A1" at 429.29,3749.96 h15 r90; Top Pin Number "A4" at 523.78,3749.96 h15 r90; Top Pin Number "A7" at 618.26,3749.96 h15 r90; Top Pin Number "A18" at 964.56,3749.96 h15 r90; Top Pin Number "T6" at 1039.52,3787.36 h15 r90; Top Pin Number "T3" at 338.74,3944.84 h15 r90; Top Pin Number "T7" at 1039.52,3944.84 h15 r90; Top Pin Number "T4" at 338.74,4072.4 h15 r90; Top Pin Number "B1" at 413.54,3982.24 h15 r90; Top Pin Number "B4" at 508.03,3982.24 h15 r90; Top Pin Number "B7" at 602.52,3982.24 h15 r90; Top Pin Number "B12" at 759.84,3982.24 h15 r90; Top Pin Number "B15" at 854.32,3982.24 h15 r90
J802: Top Overlay "B1" at 1264.64,4208.76 h25; Top Overlay "B18" at 1795.41,4204.82 h25; Top Overlay "A18" at 1803.68,3602.85 h25; Top Overlay "A1" at 1275.66,3603.64 h25; Top Assembly "A1" at 1281.87,3606.43 h25; Top Assembly "A18" at 1818.51,3606.82 h25; Top Assembly "B1" at 1269.28,4208.4 h25; Top Assembly "B18" at 1807.09,4202.49 h25; Top Pin Number "B18" at 1823.38,3982.24 h15 r90; Top Pin Number "T8" at 1914.09,4111.77 h15 r90; Top Pin Number "A8" at 1524.33,3749.96 h15 r90; Top Pin Number "A9" at 1555.83,3749.96 h15 r90; Top Pin Number "A13" at 1681.65,3749.96 h15 r90; Top Pin Number "A14" at 1713.15,3749.96 h15 r90; Top Pin Number "A11" at 1618.66,3749.96 h15 r90; Top Pin Number "B8" at 1508.58,3982.24 h15 r90; Top Pin Number "A10" at 1587.16,3749.96 h15 r90; Top Pin Number "B2" at 1319.61,3982.24 h15 r90; Top Pin Number "A2" at 1335.35,3749.96 h15 r90; Top Pin Number "B13" at 1665.9,3982.24 h15 r90; Top Pin Number "B14" at 1697.4,3982.24 h15 r90; Top Pin Number "B3" at 1351.1,3982.24 h15 r90; Top Pin Number "B17" at 1791.89,3982.24 h15 r90; Top Pin Number "A3" at 1366.85,3749.96 h15 r90; Top Pin Number "B5" at 1414.09,3982.24 h15 r90; Top Pin Number "B16" at 1760.39,3982.24 h15 r90; Top Pin Number "B6" at 1445.59,3982.24 h15 r90; Top Pin Number "A5" at 1429.84,3749.96 h15 r90; Top Pin Number "A6" at 1461.34,3749.96 h15 r90; Top Pin Number "A16" at 1776.14,3749.96 h15 r90; Top Pin Number "A17" at 1807.63,3749.96 h15 r90; Top Pin Number "B11" at 1602.91,3982.24 h15 r90; Top Pin Number "B10" at 1571.41,3982.24 h15 r90; Top Pin Number "B9" at 1540.08,3982.24 h15 r90; Top Pin Number "T1" at 1213.31,3707.44 h15 r90; Top Pin Number "A12" at 1650.15,3749.96 h15 r90; Top Pin Number "A15" at 1744.64,3749.96 h15 r90; Top Pin Number "T5" at 1914.09,3707.44 h15 r90; Top Pin Number "T2" at 1213.31,3787.36 h15 r90; Top Pin Number "A1" at 1303.86,3749.96 h15 r90; Top Pin Number "A4" at 1398.35,3749.96 h15 r90; Top Pin Number "A7" at 1492.83,3749.96 h15 r90; Top Pin Number "A18" at 1839.13,3749.96 h15 r90; Top Pin Number "T6" at 1914.09,3787.36 h15 r90; Top Pin Number "T3" at 1213.31,3944.84 h15 r90; Top Pin Number "T7" at 1914.09,3944.84 h15 r90; Top Pin Number "T4" at 1213.31,4072.4 h15 r90; Top Pin Number "B1" at 1288.11,3982.24 h15 r90; Top Pin Number "B4" at 1382.6,3982.24 h15 r90; Top Pin Number "B7" at 1477.09,3982.24 h15 r90; Top Pin Number "B12" at 1634.41,3982.24 h15 r90; Top Pin Number "B15" at 1728.89,3982.24 h15 r90
J901: Top Assembly "5" at 471.13,207.71 h25; Top Assembly "1" at 371.63,205.46 h25; Top Assembly "PCB EDGE" at 114.58,78.97 h25 r90; Top Pin Number "4" at 446.36,165.52 h15; Top Pin Number "1" at 373.16,165.52 h15; Top Pin Number "3" at 421.13,164.54 h15; Top Pin Number "2" at 395.54,165.52 h15; Top Pin Number "S3" at 386.39,56.03 h15 r90; Top Pin Number "S1" at 295.83,51.37 h15 r90; Top Pin Number "S5" at 316.03,158.64 h15; Top Pin Number "S2" at 571.42,48.15 h15 r90; Top Pin Number "S4" at 480.87,55.68 h15 r90; Top Pin Number "S6" at 513.23,158.63 h15; Top Pin Number "5" at 472.31,165.52 h15
J902: Top Overlay "1" at 2175.96,3745.67 h31; Top Overlay "2" at 2168.13,3861.29 h31; Bottom Overlay "1" at 2262,3709 h31; Top Assembly "2" at 2161.96,3854.67 h25; Top Assembly "1" at 2164.96,3767.67 h25; Top Assembly "9" at 2536.96,3763.67 h25; Top Assembly "10" at 2528.96,3857.67 h25; Top Pin Number "7" at 2425.64,3770.67 h25 r90; Top Pin Number "9" at 2475.64,3770.67 h25 r90; Top Pin Number "1" at 2275.64,3770.67 h25 r90; Top Pin Number "10" at 2475.32,3845.67 h25 r90; Top Pin Number "6" at 2375.64,3845.67 h25 r90; Top Pin Number "8" at 2425.64,3845.67 h25 r90; Top Pin Number "4" at 2325.64,3845.67 h25 r90; Top Pin Number "2" at 2275.64,3845.67 h25 r90; Top Pin Number "5" at 2375.64,3770.67 h25 r90; Top Pin Number "3" at 2325.64,3770.67 h25 r90
J1001: Bottom Overlay "1" at 3117.13,1772.45 h31; Bottom Overlay "60" at 3123.63,577.45 h31; Bottom Pin Number "1" at 3190.18,1739.03 h15; Bottom Pin Number "3" at 3193.39,1694.3 h15; Bottom Pin Number "59" at 3199.87,581.41 h15; Bottom Pin Number "58" at 3200.23,600.49 h15; Bottom Pin Number "57" at 3200.23,620.18 h15; Bottom Pin Number "56" at 3199.87,640.46 h15; Bottom Pin Number "55" at 3200.23,659.55 h15; Bottom Pin Number "54" at 3200.59,678.64 h15; Bottom Pin Number "53" at 3200.23,698.92 h15; Bottom Pin Number "52" at 3200.23,718.6 h15; Bottom Pin Number "37" at 3200.23,1013.88 h15; Bottom Pin Number "36" at 3199.87,1034.16 h15; Bottom Pin Number "35" at 3200.23,1053.25 h15; Bottom Pin Number "34" at 3200.59,1072.34 h15; Bottom Pin Number "31" at 3197.02,1137.35 h15; Bottom Pin Number "39" at 3199.87,975.11 h15; Bottom Pin Number "51" at 3197.02,743.65 h15; Bottom Pin Number "50" at 3200.23,757.97 h15; Bottom Pin Number "46" at 3199.87,837.31 h15; Bottom Pin Number "2" at 3193.39,1713.98 h15; Bottom Pin Number "47" at 3200.23,817.03 h15; Bottom Pin Number "48" at 3200.23,797.34 h15; Bottom Pin Number "44" at 3200.59,875.49 h15; Bottom Pin Number "41" at 3197.02,940.5 h15; Bottom Pin Number "43" at 3200.23,895.77 h15; Bottom Pin Number "33" at 3200.23,1092.62 h15; Bottom Pin Number "29" at 3199.87,1171.96 h15; Bottom Pin Number "24" at 3200.59,1269.19 h15; Bottom Pin Number "19" at 3198.69,1370.77 h15; Bottom Pin Number "10" at 3199.05,1547.34 h15; Bottom Pin Number "18" at 3199.05,1389.86 h15; Bottom Pin Number "25" at 3200.23,1250.1 h15; Bottom Pin Number "23" at 3200.23,1289.47 h15; Bottom Pin Number "21" at 3197.01,1334.2 h15; Bottom Pin Number "15" at 3199.05,1448.92 h15; Bottom Pin Number "13" at 3199.05,1488.29 h15; Bottom Pin Number "11" at 3195.84,1533.01 h15; Bottom Pin Number "20" at 3200.23,1348.52 h15; Bottom Pin Number "26" at 3199.87,1231.01 h15; Bottom Pin Number "22" at 3200.23,1309.15 h15; Bottom Pin Number "6" at 3193.03,1635.83 h15; Bottom Pin Number "12" at 3199.05,1507.97 h15; Bottom Pin Number "14" at 3199.41,1468 h15; Bottom Pin Number "27" at 3200.23,1210.73 h15; Bottom Pin Number "8" at 3193.39,1595.87 h15; Bottom Pin Number "16" at 3198.69,1429.82 h15; Bottom Pin Number "9" at 3193.03,1576.78 h15; Bottom Pin Number "4" at 3193.75,1674.01 h15; Bottom Pin Number "60" at 3199.84,561.78 h15; Bottom Pin Number "49" at 3199.87,778.26 h15; Bottom Pin Number "45" at 3200.23,856.4 h15; Bottom Pin Number "38" at 3200.23,994.19 h15; Bottom Pin Number "42" at 3200.23,915.45 h15; Bottom Pin Number "40" at 3200.23,954.82 h15; Bottom Pin Number "32" at 3200.23,1112.3 h15; Bottom Pin Number "30" at 3200.23,1151.67 h15; Bottom Pin Number "28" at 3200.23,1191.04 h15; Bottom Pin Number "17" at 3199.05,1409.55 h15; Bottom Pin Number "7" at 3193.39,1615.56 h15; Bottom Pin Number "5" at 3193.39,1654.93 h15
J1003: Top Overlay "1" at 3121.63,3233.79 h59.8; Top Overlay "2" at 3411.63,3233.79 h59.8; Top Overlay "39" at 3179,1125 h59.8; Top Overlay "40" at 3298,1125 h59.8; Top Assembly "40" at 3361.35,1176.06 h25; Top Assembly "39" at 3155.63,1176.06 h25; Top Assembly "2" at 3371.44,3241.38 h25; Top Assembly "1" at 3167.73,3241.38 h25; Top Pin Number "6" at 3373.91,2968.79 h25; Top Pin Number "9" at 3179.03,2768.79 h25; Top Pin Number "14" at 3373.75,2568.79 h25; Top Pin Number "20" at 3373.75,2268.79 h25; Top Pin Number "30" at 3373.75,1768.79 h25; Top Pin Number "34" at 3373.75,1568.79 h25; Top Pin Number "39" at 3178.87,1268.79 h25; Top Pin Number "25" at 3178.87,1968.79 h25; Top Pin Number "7" at 3179.03,2868.79 h25; Top Pin Number "11" at 3178.87,2668.79 h25; Top Pin Number "8" at 3373.91,2868.79 h25; Top Pin Number "10" at 3373.75,2768.79 h25; Top Pin Number "4" at 3373.91,3068.79 h25; Top Pin Number "2" at 3373.91,3168.79 h25; Top Pin Number "24" at 3373.75,2068.79 h25; Top Pin Number "5" at 3179.03,2968.79 h25; Top Pin Number "3" at 3179.03,3068.79 h25; Top Pin Number "23" at 3178.87,2068.79 h25; Top Pin Number "21" at 3178.87,2168.79 h25; Top Pin Number "19" at 3178.87,2268.79 h25; Top Pin Number "12" at 3373.75,2668.79 h25; Top Pin Number "13" at 3178.87,2568.79 h25; Top Pin Number "15" at 3178.87,2468.79 h25; Top Pin Number "16" at 3373.75,2468.79 h25; Top Pin Number "33" at 3178.87,1568.79 h25; Top Pin Number "32" at 3373.75,1668.79 h25; Top Pin Number "36" at 3373.75,1468.79 h25; Top Pin Number "38" at 3373.75,1368.79 h25; Top Pin Number "40" at 3373.75,1268.79 h25; Top Pin Number "35" at 3178.87,1468.79 h25; Top Pin Number "37" at 3178.87,1368.79 h25; Top Pin Number "1" at 3179.03,3168.79 h25; Top Pin Number "17" at 3178.87,2368.79 h25; Top Pin Number "31" at 3178.87,1668.79 h25; Top Pin Number "29" at 3178.87,1768.79 h25; Top Pin Number "27" at 3178.87,1868.79 h25; Top Pin Number "18" at 3373.75,2368.79 h25; Top Pin Number "26" at 3373.75,1968.79 h25; Top Pin Number "28" at 3373.75,1868.79 h25; Top Pin Number "22" at 3373.75,2168.79 h25